# KiCad board cryboard.kicad_pcb (continued)
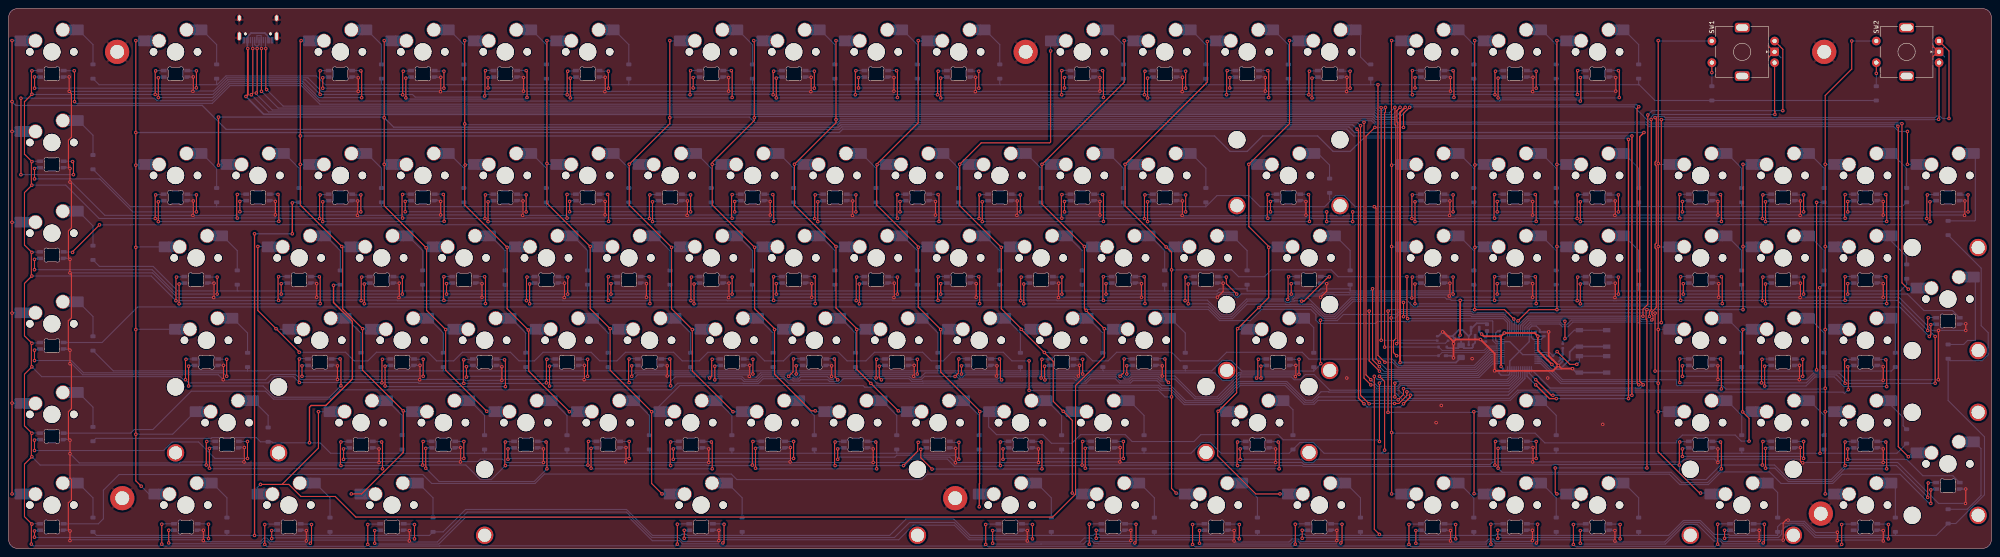
[diagram p0: board, top side]
## Routing (per net, layer and track width the routed paths; a pad name or vN(x,y) marks a point on that pad's centre or on a via; arc(x,y) is an arc through that point) (continued)
Net-(LED5-DOUT): length 37
  Top w0.25: v1(110.79,108.84) v1(110.79,106.44) ; v1(138.59,106.39) v1(138.59,110.31)
  Bottom w0.25: v1(110.79,106.44) 138.54,106.44 v1(138.59,106.39) ; v1(138.59,110.31) 136.96,110.31 ; 112.14,109.01 110.96,109.01
Net-(LED6-DOUT): length 51
  Top w0.25: v1(129.79,108.71) v1(129.79,104.14) ; 167.19,110.24 v1(167.19,104.24)
  Bottom w0.25: v1(129.79,104.14) 167.09,104.14 v1(167.19,104.24) ; 131.04,108.88 129.96,108.88 ; 164.99,110.51 166.92,110.51
  vias: v1(166.99,110.44)
Net-(LED7-DOUT): length 37.2
  Top w0.25: v1(186.19,106.39) v1(186.19,110.31) ; v1(158.19,108.84) v1(158.19,106.44)
  Bottom w0.25: v1(186.19,110.31) 184.56,110.31 ; v1(186.19,106.39) 186.14,106.44 v1(158.19,106.44) ; 159.54,109.01 158.36,109.01
Net-(LED8-DOUT): length 41.6
  Top w0.25: 205.39,110.24 v1(205.39,104.24) ; v1(177.39,108.71) v1(177.39,104.14)
  Bottom w0.25: v1(205.39,104.24) 205.29,104.14 v1(177.39,104.14) ; 203.19,110.51 205.12,110.51 ; 178.64,108.88 177.56,108.88
  vias: v1(205.19,110.44)
Net-(LED10-DIN): length 37
  Top w0.25: v1(224.19,106.39) v1(224.19,110.31) ; v1(196.39,108.84) v1(196.39,106.44)
  Bottom w0.25: 197.74,109.01 196.56,109.01 ; v1(224.19,110.31) 222.56,110.31 ; v1(224.19,106.39) 224.14,106.44 v1(196.39,106.44)
Net-(LED10-DOUT): length 51.2
  Top w0.25: 252.99,110.24 v1(252.99,104.24) ; v1(215.39,108.71) v1(215.39,104.14)
  Bottom w0.25: v1(252.99,104.24) 252.89,104.14 v1(215.39,104.14) ; 250.79,110.51 252.72,110.51 ; 216.64,108.88 215.56,108.88
  vias: v1(252.79,110.44)
Net-(LED11-DOUT): length 37.2
  Top w0.25: v1(243.99,108.84) v1(243.99,106.44) ; v1(271.99,106.39) v1(271.99,110.31)
  Bottom w0.25: v1(271.99,110.31) 270.36,110.31 ; v1(243.99,106.44) 271.94,106.44 v1(271.99,106.39) ; 245.34,109.01 244.16,109.01
Net-(LED12-DOUT): length 41.6
  Top w0.25: v1(263.19,108.71) v1(263.19,104.14) ; 291.19,110.24 v1(291.19,104.24)
  Bottom w0.25: v1(291.19,104.24) 291.09,104.14 v1(263.19,104.14) ; 264.44,108.88 263.36,108.88 ; 288.99,110.51 290.92,110.51
  vias: v1(290.99,110.44)
Net-(LED13-DOUT): length 37
  Top w0.25: v1(282.19,108.84) v1(282.19,106.44) ; v1(309.99,106.39) v1(309.99,110.31)
  Bottom w0.25: v1(309.99,106.39) 309.94,106.44 v1(282.19,106.44) ; v1(309.99,110.31) 308.36,110.31 ; 283.54,109.01 282.36,109.01
Net-(LED14-DOUT): length 46.4
  Top w0.25: v1(301.19,108.71) v1(301.19,104.14) ; 333.99,110.24 v1(333.99,104.24)
  Bottom w0.25: 331.79,110.51 333.72,110.51 ; 302.44,108.88 301.36,108.88 ; v1(333.99,104.24) 333.89,104.14 v1(301.19,104.14)
  vias: v1(333.79,110.44)
Net-(LED15-DOUT): length 37.2
  Top w0.25: v1(352.99,106.39) v1(352.99,110.31) ; v1(324.99,108.84) v1(324.99,106.44)
  Bottom w0.25: v1(352.99,110.31) 351.36,110.31 ; v1(352.99,106.39) 352.94,106.44 v1(324.99,106.44) ; 326.34,109.01 325.16,109.01
Net-(LED16-DOUT): length 41.6
  Top w0.25: v1(344.19,108.71) v1(344.19,104.14) ; 372.19,110.24 v1(372.19,104.24)
  Bottom w0.25: 369.99,110.51 371.92,110.51 ; v1(372.19,104.24) 372.09,104.14 v1(344.19,104.14) ; 345.44,108.88 344.36,108.88
  vias: v1(371.99,110.44)
Net-(LED17-DOUT): length 405.4
  Top w0.25: v1(2.84,86.39) v1(2.84,104.07) ; 14.97,89.22 v1(14.97,86.39) ; v1(363.19,108.84) 363.31,108.71 363.31,103.54 v1(363.19,103.41)
  Bottom w0.25: 364.54,109.01 363.36,109.01 ; 12.77,89.49 14.7,89.49 ; v1(2.84,104.07) 33.7,104.07 34.29,103.49 47.03,103.49 50.98,107.43 67.83,107.43 71.85,103.41 344.49,103.41 344.76,103.69 362.91,103.69 v1(363.19,103.41) ; v1(14.97,86.39) v1(2.84,86.39)
  vias: v1(14.77,89.42)
Net-(LED18-DOUT): length 49.7
  Top w0.25: v1(5.97,87.82) v1(5.97,85.42) ; v1(43.39,77.79) v1(43.39,81.71)
  Bottom w0.25: v1(43.39,77.79) 28.69,77.79 21.06,85.42 v1(5.97,85.42) ; 7.32,87.99 6.14,87.99 ; v1(43.39,81.71) 41.76,81.71
Net-(LED19-DOUT): length 41.5
  Top w0.25: 62.44,81.62 v1(62.44,75.62) ; v1(34.59,80.11) v1(34.59,75.54)
  Bottom w0.25: 60.24,81.89 62.17,81.89 ; 35.84,80.28 34.76,80.28 ; v1(34.59,75.54) 62.36,75.54 v1(62.44,75.62)
  vias: v1(62.24,81.82)
Net-(LED20-DOUT): length 37.1
  Top w0.25: v1(53.44,80.22) v1(53.44,77.82) ; v1(81.39,77.79) v1(81.39,81.71)
  Bottom w0.25: v1(81.39,81.71) 79.76,81.71 ; 54.79,80.39 53.61,80.39 ; v1(81.39,77.79) 81.36,77.82 v1(53.44,77.82)
Net-(LED21-DOUT): length 41.7
  Top w0.25: 100.64,81.62 v1(100.64,75.62) ; v1(72.59,80.11) v1(72.59,75.54)
  Bottom w0.25: 98.44,81.89 100.37,81.89 ; v1(100.64,75.62) 100.56,75.54 v1(72.59,75.54) ; 73.84,80.28 72.76,80.28
  vias: v1(100.44,81.82)
Net-(LED22-DOUT): length 37.1
  Top w0.25: v1(119.59,77.79) v1(119.59,81.71) ; v1(91.64,80.22) v1(91.64,77.82)
  Bottom w0.25: v1(91.64,77.82) 119.56,77.82 v1(119.59,77.79) ; 92.99,80.39 91.81,80.39 ; v1(119.59,81.71) 117.96,81.71
Net-(LED23-DOUT): length 41.5
  Top w0.25: 138.64,81.62 v1(138.64,75.62) ; v1(110.79,80.11) v1(110.79,75.54)
  Bottom w0.25: 136.44,81.89 138.37,81.89 ; 112.04,80.28 110.96,80.28 ; v1(110.79,75.54) 138.56,75.54 v1(138.64,75.62)
  vias: v1(138.44,81.82)
Net-(LED24-DOUT): length 37.1
  Top w0.25: v1(157.59,77.79) v1(157.59,81.71) ; v1(129.64,80.22) v1(129.64,77.82)
  Bottom w0.25: v1(129.64,77.82) 157.56,77.82 v1(157.59,77.79) ; 130.99,80.39 129.81,80.39 ; v1(157.59,81.71) 155.96,81.71
Net-(LED25-DOUT): length 41.6
  Top w0.25: v1(148.79,80.11) v1(148.79,75.54) ; 176.79,81.59 v1(176.79,75.59)
  Bottom w0.25: v1(176.79,75.59) 176.74,75.54 v1(148.79,75.54) ; 174.59,81.86 176.52,81.86 ; 150.04,80.28 148.96,80.28
  vias: v1(176.59,81.79)
Net-(LED26-DOUT): length 37.1
  Top w0.25: v1(167.79,80.19) v1(167.79,77.79) ; v1(195.79,77.79) v1(195.79,81.71)
  Bottom w0.25: 169.14,80.36 167.96,80.36 ; v1(195.79,81.71) 194.16,81.71 ; v1(167.79,77.79) v1(195.79,77.79)
Net-(LED27-DOUT): length 41.6
  Top w0.25: 214.99,81.59 v1(214.99,75.59) ; v1(186.99,80.11) v1(186.99,75.54)
  Bottom w0.25: v1(214.99,75.59) 214.94,75.54 v1(186.99,75.54) ; 212.79,81.86 214.72,81.86 ; 188.24,80.28 187.16,80.28
  vias: v1(214.79,81.79)
Net-(LED28-DOUT): length 36.9
  Top w0.25: v1(233.79,77.79) v1(233.79,81.71) ; v1(205.99,80.19) v1(205.99,77.79)
  Bottom w0.25: v1(233.79,81.71) 232.16,81.71 ; 207.34,80.36 206.16,80.36 ; v1(205.99,77.79) v1(233.79,77.79)
Net-(LED29-DOUT): length 41.6
  Top w0.25: 252.99,81.59 v1(252.99,75.59) ; v1(224.99,80.11) v1(224.99,75.54)
  Bottom w0.25: v1(252.99,75.59) 252.94,75.54 v1(224.99,75.54) ; 250.79,81.86 252.72,81.86 ; 226.24,80.28 225.16,80.28
  vias: v1(252.79,81.79)
Net-(LED30-DOUT): length 37.1
  Top w0.25: v1(271.99,77.79) v1(271.99,81.71) ; v1(243.99,80.19) v1(243.99,77.79)
  Bottom w0.25: v1(243.99,77.79) v1(271.99,77.79) ; v1(271.99,81.71) 270.36,81.71 ; 245.34,80.36 244.16,80.36
Net-(LED31-DOUT): length 51
  Top w0.25: 300.59,81.59 v1(300.59,75.59) ; v1(263.19,80.11) v1(263.19,75.54)
  Bottom w0.25: 298.39,81.86 300.32,81.86 ; 264.44,80.28 263.36,80.28 ; v1(263.19,75.54) 300.54,75.54 v1(300.59,75.59)
  vias: v1(300.39,81.79)
Net-(LED32-DOUT): length 55.8
  Top w0.25: v1(310.59,75.54) v1(310.59,77.79) ; v1(333.79,77.79) v1(333.79,81.71) ; v1(291.59,80.19) v1(291.59,77.79) ; v1(304.59,77.79) v1(304.59,75.54)
  Bottom w0.25: v1(304.59,75.54) v1(310.59,75.54) ; 292.94,80.36 291.76,80.36 ; v1(291.59,77.79) v1(304.59,77.79) ; v1(333.79,81.71) 332.16,81.71 ; v1(310.59,77.79) v1(333.79,77.79)
Net-(LED33-DOUT): length 41.6
  Top w0.25: v1(324.99,80.11) v1(324.99,75.54) ; 352.99,81.59 v1(352.99,75.59)
  Bottom w0.25: v1(324.99,75.54) 352.94,75.54 v1(352.99,75.59) ; 326.24,80.28 325.16,80.28 ; 350.79,81.86 352.72,81.86
  vias: v1(352.79,81.79)
Net-(LED34-DOUT): length 37.1
  Top w0.25: v1(371.99,77.79) v1(371.99,81.71) ; v1(343.99,80.19) v1(343.99,77.79)
  Bottom w0.25: v1(371.99,81.71) 370.36,81.71 ; 345.34,80.36 344.16,80.36 ; v1(343.99,77.79) v1(371.99,77.79)
Net-(LED35-DOUT): length 46.2
  Top w0.25: v1(363.19,80.11) v1(363.19,75.54) ; 395.79,81.59 v1(395.79,75.59)
  Bottom w0.25: 364.44,80.28 363.36,80.28 ; v1(395.79,75.59) 395.74,75.54 v1(363.19,75.54) ; 393.59,81.86 395.52,81.86
  vias: v1(395.59,81.79)
Net-(LED36-DOUT): length 37.1
  Top w0.25: v1(414.79,77.79) v1(414.79,81.71) ; v1(386.79,80.19) v1(386.79,77.79)
  Bottom w0.25: v1(414.79,81.71) 413.16,81.71 ; v1(386.79,77.79) v1(414.79,77.79) ; 388.14,80.36 386.96,80.36
Net-(LED37-DOUT): length 41.6
  Top w0.25: 433.99,81.59 v1(433.99,75.59) ; v1(405.99,80.11) v1(405.99,75.54)
  Bottom w0.25: 407.24,80.28 406.16,80.28 ; v1(405.99,75.54) 433.94,75.54 v1(433.99,75.59) ; 431.79,81.86 433.72,81.86
  vias: v1(433.79,81.79)
Net-(LED38-DOUT): length 36.9
  Top w0.25: v1(424.99,80.19) v1(424.99,77.79) ; v1(452.79,77.79) v1(452.79,81.71)
  Bottom w0.25: v1(424.99,77.79) v1(452.79,77.79) ; 426.34,80.36 425.16,80.36 ; v1(452.79,81.71) 451.16,81.71
Net-(LED39-DOUT): length 439.8
  Top w0.25: v1(20.99,74.79) 14.77,68.57 v1(14.77,68.42) ; v1(443.99,80.11) v1(443.99,75.54)
  Bottom w0.25: v1(20.99,74.79) 28.19,74.79 28.21,74.81 443.26,74.81 v1(443.99,75.54) ; 12.77,68.49 14.7,68.49 ; 445.24,80.28 444.16,80.28
Net-(LED40-DOUT): length 53.7
  Top w0.25: v1(5.97,66.82) v1(5.97,64.42) ; v1(48.19,58.79) v1(48.19,62.71)
  Bottom w0.25: 7.32,66.99 6.14,66.99 ; v1(48.19,58.79) 38.8,58.79 33.17,64.42 v1(5.97,64.42) ; v1(48.19,62.71) 46.56,62.71
Net-(LED41-DOUT): length 46.2
  Top w0.25: 71.99,62.59 v1(71.99,56.59) ; v1(39.39,61.11) v1(39.39,56.54)
  Bottom w0.25: v1(39.39,56.54) 71.94,56.54 v1(71.99,56.59) ; 40.64,61.28 39.56,61.28 ; 69.79,62.86 71.72,62.86
  vias: v1(71.79,62.79)
Net-(LED42-DOUT): length 37.1
  Top w0.25: v1(90.99,58.79) v1(90.99,62.71) ; v1(62.99,61.19) v1(62.99,58.79)
  Bottom w0.25: 64.34,61.36 63.16,61.36 ; v1(90.99,62.71) 89.36,62.71 ; v1(62.99,58.79) v1(90.99,58.79)
Net-(LED43-DOUT): length 41.6
  Top w0.25: 110.19,62.59 v1(110.19,56.59) ; v1(82.19,61.11) v1(82.19,56.54)
  Bottom w0.25: 107.99,62.86 109.92,62.86 ; 83.44,61.28 82.36,61.28 ; v1(110.19,56.59) 110.14,56.54 v1(82.19,56.54)
  vias: v1(109.99,62.79)
Net-(LED44-DOUT): length 37.1
  Top w0.25: v1(101.19,61.19) v1(101.19,58.79) ; v1(129.19,58.79) v1(129.19,62.71)
  Bottom w0.25: v1(101.19,58.79) v1(129.19,58.79) ; v1(129.19,62.71) 127.56,62.71 ; 102.54,61.36 101.36,61.36
Net-(LED45-DOUT): length 41.4
  Top w0.25: 148.19,62.59 v1(148.19,56.59) ; v1(120.39,61.11) v1(120.39,56.54)
  Bottom w0.25: v1(120.39,56.54) 148.14,56.54 v1(148.19,56.59) ; 121.64,61.28 120.56,61.28 ; 145.99,62.86 147.92,62.86
  vias: v1(147.99,62.79)
Net-(LED46-DOUT): length 37.1
  Top w0.25: v1(167.19,58.79) v1(167.19,62.71) ; v1(139.19,61.19) v1(139.19,58.79)
  Bottom w0.25: v1(167.19,62.71) 165.56,62.71 ; v1(139.19,58.79) v1(167.19,58.79) ; 140.54,61.36 139.36,61.36
Net-(LED47-DOUT): length 41.6
  Top w0.25: v1(158.39,61.11) v1(158.39,56.54) ; 186.39,62.59 v1(186.39,56.59)
  Bottom w0.25: v1(186.39,56.59) 186.34,56.54 v1(158.39,56.54) ; 159.64,61.28 158.56,61.28 ; 184.19,62.86 186.12,62.86
  vias: v1(186.19,62.79)
Net-(LED48-DOUT): length 37.1
  Top w0.25: v1(177.39,61.19) v1(177.39,58.79) ; v1(205.39,58.79) v1(205.39,62.71)
  Bottom w0.25: v1(177.39,58.79) v1(205.39,58.79) ; 178.74,61.36 177.56,61.36 ; v1(205.39,62.71) 203.76,62.71
Net-(LED49-DOUT): length 41.4
  Top w0.25: 224.39,62.59 v1(224.39,56.59) ; v1(196.59,61.11) v1(196.59,56.54)
  Bottom w0.25: v1(224.39,56.59) 224.34,56.54 v1(196.59,56.54) ; 222.19,62.86 224.12,62.86 ; 197.84,61.28 196.76,61.28
  vias: v1(224.19,62.79)
Net-(LED50-DOUT): length 37.1
  Top w0.25: v1(243.39,58.79) v1(243.39,62.71) ; v1(215.39,61.19) v1(215.39,58.79)
  Bottom w0.25: v1(215.39,58.79) v1(243.39,58.79) ; v1(243.39,62.71) 241.76,62.71 ; 216.74,61.36 215.56,61.36
Net-(LED51-DOUT): length 41.6
  Top w0.25: v1(234.59,61.11) v1(234.59,56.54) ; 262.59,62.59 v1(262.59,56.59)
  Bottom w0.25: v1(234.59,56.54) 262.54,56.54 v1(262.59,56.59) ; 260.39,62.86 262.32,62.86 ; 235.84,61.28 234.76,61.28
  vias: v1(262.39,62.79)
Net-(LED52-DOUT): length 40.7
  Top w0.25: v1(283.79,58.79) 281.39,61.19 v1(281.39,62.71) ; v1(253.59,61.19) v1(253.59,58.79)
  Bottom w0.25: v1(283.79,58.79) 283.39,59.18 279.62,59.18 279.22,58.79 v1(253.59,58.79) ; 254.94,61.36 253.76,61.36 ; v1(281.39,62.71) 279.76,62.71
Net-(LED53-DOUT): length 45.7
  Top w0.25: v1(298.79,57.16) 299.34,57.16 304.76,62.59 305.39,62.59 ; v1(272.59,61.11) v1(272.59,56.54)
  Bottom w0.25: 273.84,61.28 272.76,61.28 ; v1(298.79,57.16) 298.71,57.24 297.14,57.24 297.06,57.16 296.21,57.16 295.87,56.82 295.27,56.82 294.91,57.19 286.25,57.19 282.62,53.55 280.19,53.55 277.2,56.54 v1(272.59,56.54) ; 303.19,62.86 305.12,62.86
  vias: v1(305.19,62.79)
Net-(LED54-DOUT): length 46.9
  Top w0.25: v1(333.79,58.79) v1(333.79,62.71) ; v1(296.39,61.19) v1(296.39,58.79)
  Bottom w0.25: 297.74,61.36 296.56,61.36 ; v1(333.79,58.79) 333.51,59.06 309.8,59.06 309.67,59.19 303.67,59.19 303.27,58.79 v1(296.39,58.79) ; v1(333.79,62.71) 332.16,62.71
Net-(LED55-DOUT): length 41.6
  Top w0.25: v1(324.99,61.11) v1(324.99,56.54) ; 352.99,62.59 v1(352.99,56.59)
  Bottom w0.25: v1(352.99,56.59) 352.94,56.54 v1(324.99,56.54) ; 350.79,62.86 352.72,62.86 ; 326.24,61.28 325.16,61.28
  vias: v1(352.79,62.79)
Net-(LED56-DOUT): length 37.1
  Top w0.25: v1(343.99,61.19) v1(343.99,58.79) ; v1(371.99,58.79) v1(371.99,62.71)
  Bottom w0.25: v1(343.99,58.79) v1(371.99,58.79) ; v1(371.99,62.71) 370.36,62.71 ; 345.34,61.36 344.16,61.36
Net-(LED57-DOUT): length 46.4
  Top w0.25: v1(363.19,61.11) v1(363.19,56.54) ; 395.99,62.59 v1(395.99,56.59)
  Bottom w0.25: 364.44,61.28 363.36,61.28 ; v1(363.19,56.54) 395.94,56.54 v1(395.99,56.59) ; 393.79,62.86 395.72,62.86
  vias: v1(395.79,62.79)
Net-(LED58-DOUT): length 36.9
  Top w0.25: v1(386.99,61.19) v1(386.99,58.79) ; v1(414.79,58.79) v1(414.79,62.71)
  Bottom w0.25: 388.34,61.36 387.16,61.36 ; v1(414.79,62.71) 413.16,62.71 ; v1(386.99,58.79) v1(414.79,58.79)
Net-(LED59-DOUT): length 41.6
  Top w0.25: 433.99,62.59 v1(433.99,56.59) ; v1(405.99,61.11) v1(405.99,56.54)
  Bottom w0.25: 407.24,61.28 406.16,61.28 ; 431.79,62.86 433.72,62.86 ; v1(433.99,56.59) 406.04,56.59 v1(405.99,56.54)
  vias: v1(433.79,62.79)
Net-(LED60-DOUT): length 31.7
  Top w0.25: v1(424.99,61.19) v1(424.99,58.79)
  Bottom w0.25: 426.34,61.36 425.16,61.36 ; LED61.3 449.39,54.78 449.39,54.79 449.19,54.99 442.59,54.99 438.79,58.79 v1(424.99,58.79)
Net-(LED61-DOUT): length 447.9
  Top w0.25: v1(443.83,48.99) 444.19,49.34 v1(444.19,51.71)
  Bottom w0.25: LED62.3 21.59,47.59 29.81,55.81 277.29,55.81 280,53.1 282.8,53.1 286.15,56.45 295.01,56.45 295.09,56.37 296.06,56.37 296.12,56.44 301.1,56.44 303.99,53.55 306.43,53.55 310.46,57.58 322.91,57.58 324.69,55.81 325.41,55.81 325.59,55.99 339.01,55.99 339.2,55.8 353.22,55.8 353.34,55.91 358.09,55.91 358.19,55.81 363.49,55.81 363.66,55.99 378.89,55.99 379.01,55.86 396.29,55.86 396.34,55.91 401.26,55.91 401.39,55.79 437.03,55.79 v1(443.83,48.99) ; 445.44,51.88 444.36,51.88
Net-(LED62-DOUT): length 55.1
  Top w0.25: v1(5.97,45.82) v1(5.97,43.42) ; v1(50.39,39.79) v1(50.39,43.71)
  Bottom w0.25: v1(50.39,39.79) 49.59,40.58 17.3,40.58 14.47,43.42 v1(5.97,43.42) ; v1(50.39,43.71) 48.76,43.71 ; 7.32,45.99 6.14,45.99
Net-(LED63-DOUT): length 51
  Top w0.25: 76.79,43.59 v1(76.79,37.59) ; v1(41.59,42.11) v1(41.59,37.54)
  Bottom w0.25: 42.84,42.28 41.76,42.28 ; 74.59,43.86 76.52,43.86 ; v1(76.79,37.59) 74.15,34.95 61.39,34.95 58.8,37.54 v1(41.59,37.54)
  vias: v1(76.59,43.79)
Net-(LED64-DOUT): length 37.1
  Top w0.25: v1(95.79,39.79) v1(95.79,43.71) ; v1(67.79,42.19) v1(67.79,39.79)
  Bottom w0.25: 69.14,42.36 67.96,42.36 ; v1(95.79,43.71) 94.16,43.71 ; v1(67.79,39.79) v1(95.79,39.79)
Net-(LED65-DOUT): length 41.4
  Top w0.25: 114.79,43.39 v1(114.79,37.39) ; v1(86.99,42.11) v1(86.99,37.54)
  Bottom w0.25: v1(86.99,37.54) 87.14,37.39 v1(114.79,37.39) ; 88.24,42.28 87.16,42.28 ; 112.59,43.66 114.52,43.66
  vias: v1(114.59,43.59)
Net-(LED66-DOUT): length 37.2
  Top w0.25: v1(105.79,41.99) v1(105.79,39.59) ; v1(133.79,39.79) v1(133.79,43.71)
  Bottom w0.25: 107.14,42.16 105.96,42.16 ; v1(105.79,39.59) 105.99,39.79 v1(133.79,39.79) ; v1(133.79,43.71) 132.16,43.71
Net-(LED67-DOUT): length 41.6
  Top w0.25: 152.99,43.59 v1(152.99,37.59) ; v1(124.99,42.11) v1(124.99,37.54)
  Bottom w0.25: 150.79,43.86 152.72,43.86 ; v1(152.99,37.59) 152.94,37.54 v1(124.99,37.54) ; 126.24,42.28 125.16,42.28
  vias: v1(152.79,43.79)
Net-(LED68-DOUT): length 37
  Top w0.25: v1(171.99,40.31) v1(171.99,43.71) ; v1(143.99,42.19) v1(143.99,39.79)
  Bottom w0.25: v1(143.99,39.79) 144.77,40.57 171.73,40.57 v1(171.99,40.31) ; v1(171.99,43.71) 170.36,43.71 ; 145.34,42.36 144.16,42.36
Net-(LED69-DOUT): length 41.2
  Top w0.25: v1(163.19,42.11) v1(163.19,38.95) ; v1(191.6,38.96) 190.99,39.58 190.99,43.59
  Bottom w0.25: 164.44,42.28 163.36,42.28 ; v1(191.6,38.96) 191.24,38.6 189.68,38.6 189.3,38.98 182.96,38.98 182.66,38.68 181.31,38.68 181.01,38.98 180.01,38.98 179.33,39.67 174.17,39.67 173.03,38.53 169.98,38.53 169.29,39.22 163.46,39.22 v1(163.19,38.95) ; 188.79,43.86 190.72,43.86
  vias: v1(190.79,43.79)
Net-(LED70-DOUT): length 36.3
  Top w0.25: v1(181.99,42.19) v1(181.99,40.31) ; v1(209.99,40.31) v1(209.99,43.71)
  Bottom w0.25: 183.34,42.36 182.16,42.36 ; v1(181.99,40.31) 182.26,40.58 209.71,40.58 v1(209.99,40.31) ; v1(209.99,43.71) 208.36,43.71
Net-(LED71-DOUT): length 39.4
  Top w0.25: 229.19,43.59 229.19,39.22 v1(229.46,38.95) ; v1(201.19,42.11) 201.19,39.45 v1(201.68,38.96)
  Bottom w0.25: v1(201.68,38.96) 201.95,39.23 208.02,39.23 208.65,38.61 211.11,38.61 211.17,38.67 229.18,38.67 v1(229.46,38.95) ; 226.99,43.86 228.92,43.86 ; 202.44,42.28 201.36,42.28
  vias: v1(228.99,43.79)
Net-(LED72-DOUT): length 36.3
  Top w0.25: v1(248.19,40.31) v1(248.19,43.71) ; v1(220.19,42.19) v1(220.19,40.31)
  Bottom w0.25: v1(248.19,43.71) 246.56,43.71 ; v1(220.19,40.31) 220.45,40.57 247.93,40.57 v1(248.19,40.31) ; 221.54,42.36 220.36,42.36
Net-(LED73-DOUT): length 42
  Top w0.25: v1(239.39,42.11) 239.39,39.03 v1(239.47,38.94) ; v1(268,38.37) 267.39,38.99 267.39,43.59
  Bottom w0.25: 240.64,42.28 239.56,42.28 ; v1(268,38.37) 267.71,38.67 266.1,38.67 265.55,39.22 259.59,39.22 259.06,38.68 256.91,38.68 255.92,39.67 249.84,39.67 248.84,38.67 246.72,38.67 246.17,39.22 239.76,39.22 v1(239.47,38.94) ; 265.19,43.86 267.12,43.86
  vias: v1(267.19,43.79)
Net-(LED74-DOUT): length 49.6
  Top w0.25: v1(298.19,40.26) v1(298.19,43.71) ; v1(258.39,42.19) v1(258.39,40.31)
  Bottom w0.25: 259.74,42.36 258.56,42.36 ; v1(298.19,40.26) 297.91,40.54 284.8,40.54 284.77,40.57 284.18,40.57 282.41,38.8 280.49,38.8 278.72,40.57 258.65,40.57 v1(258.39,40.31) ; v1(298.19,43.71) 296.56,43.71
Net-(LED75-DOUT): length 123
  Top w0.25: v1(289.39,42.11) v1(289.39,39.36) ; 395.79,43.59 v1(395.79,36.86)
  Bottom w0.25: v1(289.39,39.36) 289.66,39.64 296.4,39.64 297.05,38.98 298.45,38.98 299.65,40.17 301.69,40.17 305.3,36.56 321.29,36.56 323.18,34.67 346.84,34.67 348.73,36.57 395.49,36.57 v1(395.79,36.86) ; 393.59,43.86 395.52,43.86 ; 290.64,42.28 289.56,42.28
  vias: v1(395.59,43.79)
Net-(LED76-DOUT): length 36.9
  Top w0.25: v1(414.59,39.79) v1(414.59,43.71) ; v1(386.79,42.19) v1(386.79,39.79)
  Bottom w0.25: v1(386.79,39.79) v1(414.59,39.79) ; v1(414.59,43.71) 412.96,43.71 ; 388.14,42.36 386.96,42.36
Net-(LED77-DOUT): length 43.6
  Top w0.25: v1(405.79,42.11) v1(405.79,37.54) ; 433.99,43.39 v1(433.99,37.39)
  Bottom w0.25: v1(433.99,37.39) 433.96,37.41 424.09,37.41 421.86,39.64 417.44,39.64 415.34,37.54 v1(405.79,37.54) ; 431.79,43.66 433.72,43.66 ; 407.04,42.28 405.96,42.28
  vias: v1(433.79,43.59)
Net-(LED78-DOUT): length 436.7
  Top w0.25: v1(425.11,36.69) 425.11,41.86 v1(424.99,41.99)
  Bottom w0.25: v1(425.11,36.69) 424.23,35.81 423.92,36.12 348.92,36.12 347.02,34.22 322.24,34.22 320.34,36.11 305.11,36.11 305.02,36.2 303.28,36.2 301.29,34.22 299.7,34.22 295.34,38.59 284.22,38.59 279.76,34.13 272.02,34.13 268.5,37.65 266.49,37.65 265.36,38.77 259.78,38.77 259.25,38.23 256.72,38.23 255.74,39.22 250.03,39.22 249,38.19 211.32,38.19 211.29,38.16 200.69,38.16 199.61,39.23 192.9,39.23 191.82,38.15 180.21,38.15 179.14,39.22 174.35,39.22 173.22,38.08 169.79,38.08 169.68,38.19 154.61,38.19 153.09,36.66 76.5,36.66 74.33,34.5 61.21,34.5 59.37,36.33 42.19,36.33 33.33,27.47 29.04,27.47 28.2,26.64 LED79.3 ; 426.34,42.16 425.16,42.16
Net-(LED79-DOUT): length 60.7
  Top w0.25: v1(5.97,25.02) v1(5.97,22.62) ; v1(55.19,20.79) v1(55.19,24.71)
  Bottom w0.25: v1(55.19,24.71) 53.56,24.71 ; v1(5.97,22.62) 35.81,22.62 37.78,24.59 43.89,24.59 47.69,20.79 v1(55.19,20.79) ; 7.32,25.19 6.14,25.19
Net-(LED80-DOUT): length 53.6
  Top w0.25: 86.39,24.39 v1(86.39,18.39) ; v1(46.39,23.11) v1(46.39,18.54)
  Bottom w0.25: 84.19,24.66 86.12,24.66 ; v1(86.39,18.39) 86.36,18.41 46.51,18.41 v1(46.39,18.54) ; 47.64,23.28 46.56,23.28
  vias: v1(86.19,24.59)
Net-(LED81-DOUT): length 37
  Top w0.25: v1(77.39,22.99) v1(77.39,20.59) ; v1(105.19,20.79) v1(105.19,24.71)
  Bottom w0.25: v1(105.19,20.79) 77.79,20.79 77.59,20.59 v1(77.39,20.59) ; 78.74,23.16 77.56,23.16 ; v1(105.19,24.71) 103.56,24.71
Net-(LED82-DOUT): length 44.1
  Top w0.25: 124.39,24.39 v1(124.39,18.39) ; v1(96.39,23.11) v1(96.39,18.54)
  Bottom w0.25: 122.19,24.66 124.12,24.66 ; v1(124.39,18.39) 121.45,15.45 99.47,15.45 v1(96.39,18.54) ; 97.64,23.28 96.56,23.28
  vias: v1(124.19,24.59)
Net-(LED83-DOUT): length 37.2
  Top w0.25: v1(143.39,20.79) v1(143.39,24.71) ; v1(115.39,22.99) v1(115.39,20.59)
  Bottom w0.25: v1(115.39,20.59) 115.59,20.79 v1(143.39,20.79) ; v1(143.39,24.71) 141.76,24.71 ; 116.74,23.16 115.56,23.16
Net-(LED84-DOUT): length 41.6
  Top w0.25: v1(134.59,23.11) v1(134.59,18.54) ; 162.59,24.39 v1(162.59,18.39)
  Bottom w0.25: 160.39,24.66 162.32,24.66 ; v1(162.59,18.39) 134.74,18.39 v1(134.59,18.54) ; 135.84,23.28 134.76,23.28
  vias: v1(162.39,24.59)
Net-(LED85-DOUT): length 37
  Top w0.25: v1(153.59,22.99) v1(153.59,20.59) ; v1(181.39,20.79) v1(181.39,24.71)
  Bottom w0.25: v1(181.39,24.71) 179.76,24.71 ; v1(153.59,20.59) 153.79,20.79 v1(181.39,20.79) ; 154.94,23.16 153.76,23.16
Net-(LED86-DOUT): length 41.6
  Top w0.25: v1(172.59,23.11) v1(172.59,18.54) ; 200.59,24.39 v1(200.59,18.39)
  Bottom w0.25: v1(200.59,18.39) 172.74,18.39 v1(172.59,18.54) ; 198.39,24.66 200.32,24.66 ; 173.84,23.28 172.76,23.28
  vias: v1(200.39,24.59)
Net-(LED87-DOUT): length 37.9
  Top w0.25: v1(191.59,22.99) v1(191.59,20.59) ; v1(219.59,20.59) v1(219.59,24.51)
  Bottom w0.25: v1(191.59,20.59) 192.08,21.08 204.79,21.08 205.24,21.54 218.64,21.54 v1(219.59,20.59) ; 192.94,23.16 191.76,23.16 ; v1(219.59,24.51) 217.96,24.51
Net-(LED88-DOUT): length 40.1
  Top w0.25: 238.79,24.39 v1(238.79,18.39) ; v1(210.79,22.91) 210.79,20.94 v1(213.39,18.34)
  Bottom w0.25: 236.59,24.66 238.52,24.66 ; v1(238.79,18.39) 238.74,18.34 v1(213.39,18.34) ; 212.04,23.08 210.96,23.08
  vias: v1(238.59,24.59)
Net-(LED89-DOUT): length 37
  Top w0.25: v1(257.59,20.79) v1(257.59,24.71) ; v1(229.79,22.99) v1(229.79,20.59)
  Bottom w0.25: 231.14,23.16 229.96,23.16 ; v1(257.59,24.71) 255.96,24.71 ; v1(229.79,20.59) 229.99,20.59 230.19,20.79 v1(257.59,20.79)
Net-(LED90-DOUT): length 58.4
  Top w0.25: v1(248.79,23.11) v1(248.79,18.54) ; 293.59,24.39 v1(293.59,18.39)
  Bottom w0.25: v1(248.79,18.54) 248.91,18.41 293.56,18.41 v1(293.59,18.39) ; 250.04,23.28 248.96,23.28 ; 291.39,24.66 293.32,24.66
  vias: v1(293.39,24.59)
Net-(LED91-DOUT): length 78.2
  Top w0.25: v1(352.99,20.79) v1(352.99,24.71) ; v1(284.59,22.99) v1(284.59,20.59)
  Bottom w0.25: v1(352.99,20.79) 343.79,20.79 343.59,20.59 302.22,20.59 301.46,19.83 299.54,19.83 298.78,20.59 v1(284.59,20.59) ; v1(352.99,24.71) 351.36,24.71 ; 285.94,23.16 284.76,23.16
Net-(LED92-DOUT): length 67.9
  Top w0.25: v1(344.19,23.11) v1(344.19,18.54) ; 395.79,24.39 v1(395.79,18.39)
  Bottom w0.25: 345.44,23.28 344.36,23.28 ; v1(395.79,18.39) 392.59,15.19 386.59,15.19 384.19,17.59 345.14,17.59 v1(344.19,18.54) ; 393.59,24.66 395.52,24.66
  vias: v1(395.59,24.59)
Net-(LED93-DOUT): length 36.7
  Top w0.25: v1(414.79,20.79) v1(414.79,24.71) ; v1(386.79,22.99) v1(386.79,21.26)
  Bottom w0.25: 388.14,23.16 386.96,23.16 ; v1(414.79,20.79) 414.31,21.26 v1(386.79,21.26) ; v1(414.79,24.71) 413.16,24.71
Net-(LED94-DOUT): length 44.1
  Top w0.25: v1(405.99,23.11) v1(405.99,18.54) ; 433.99,24.39 v1(433.99,18.39)
  Bottom w0.25: v1(433.99,18.39) 424.27,18.39 421.33,15.45 411.25,15.45 408.16,18.54 v1(405.99,18.54) ; 407.24,23.28 406.16,23.28 ; 431.79,24.66 433.72,24.66
  vias: v1(433.79,24.59)
Net-(LED95-DOUT): length 31.7
  Top w0.25: v1(424.99,22.99) v1(424.99,20.59)
  Bottom w0.25: 426.34,23.16 425.16,23.16 ; v1(424.99,20.59) 438.56,20.59 442.36,16.79 449.28,16.79 LED96.3
Net-(LED96-DOUT): length 454
  Top w0.25: v1(444.19,13.51) v1(444.19,10.39)
  Bottom w0.25: 445.44,13.68 444.36,13.68 ; v1(444.19,10.39) 443.84,10.39 437.1,17.12 423.65,17.12 421.52,15 409.57,15 406.91,17.66 395.7,17.66 392.77,14.74 386.19,14.74 383.79,17.14 212.23,17.14 210.99,15.9 168.27,15.9 167,17.17 123.8,17.17 121.63,15 97.77,15 95.71,17.07 25.52,17.07 21.89,13.44 21.89,6.84 20.74,5.68 LED97.3
Net-(LED97-DOUT): length 48.8
  Top w0.25: v1(5.97,4.02) v1(5.97,2.59) ; v1(46.19,5.59) v1(46.19,2.26)
  Bottom w0.25: v1(46.19,5.59) 46.09,5.68 LED98.3 ; 7.32,4.19 6.14,4.19 ; v1(5.97,2.59) 6.05,2.51 45.94,2.51 v1(46.19,2.26)
Net-(LED98-DOUT): length 44.5
  Top w0.25: v1(69.71,1.19) 69.99,1.46 v1(69.99,5.51) ; v1(36.99,4.19) v1(36.99,1.26)
  Bottom w0.25: v1(36.99,4.19) 36.99,4.18 LED98.2 ; 67.47,5.61 69.89,5.61 ; v1(69.71,1.19) 69.51,0.99 60.4,0.99 59.69,1.69 58.93,1.69 58.3,1.06 37.19,1.06 v1(36.99,1.26)
Net-(LED100-DIN): length 42
  Top w0.25: v1(93.79,5.51) v1(93.79,2.19) ; v1(60.79,4.11) v1(60.79,2.26)
  Bottom w0.25: v1(60.79,2.26) 60.96,2.44 93.54,2.44 v1(93.79,2.19) ; 62.02,4.11 60.79,4.11 ; 91.27,5.61 93.69,5.61
Net-(LED100-DOUT): length 96.8
  Top w0.25: v1(84.59,4.11) v1(84.59,1.19) ; v1(165.32,5.57) 165.32,1.52 v1(165.05,1.25)
  Bottom w0.25: 85.82,4.11 84.59,4.11 ; v1(84.59,1.19) 84.79,0.99 99.39,0.99 105.59,7.19 143.31,7.19 148.73,1.77 154.97,1.77 155.69,1.05 164.85,1.05 v1(165.05,1.25) ; 162.8,5.67 165.23,5.67
Net-(LED101-DOUT): length 92.4
  Top w0.25: v1(156.12,4.17) v1(156.12,2.32) ; v1(236.59,5.51) v1(236.59,2.19)
  Bottom w0.25: 234.07,5.61 236.49,5.61 ; v1(156.12,2.32) 156.3,2.5 204.7,2.5 208.19,5.99 218.55,5.99 222.1,2.44 236.34,2.44 v1(236.59,2.19) ; 157.35,4.17 156.13,4.17
Net-(LED102-DOUT): length 44.6
  Top w0.25: v1(260.52,5.57) 260.52,1.52 v1(260.25,1.25) ; v1(227.39,4.11) v1(227.39,1.19)
  Bottom w0.25: 228.62,4.11 227.39,4.11 ; v1(227.39,1.19) 227.59,0.99 238.56,0.99 238.59,1.01 248.41,1.01 249.1,1.7 250.29,1.7 250.85,1.14 251.79,1.14 251.87,1.05 260.05,1.05 v1(260.25,1.25) ; 258,5.67 260.43,5.67
Net-(LED103-DOUT): length 42.1
  Top w0.25: v1(284.39,5.51) v1(284.39,2.19) ; v1(251.32,4.17) v1(251.32,2.32)
  Bottom w0.25: v1(251.32,2.32) 251.5,2.5 284.07,2.5 v1(284.39,2.19) ; 252.55,4.17 251.33,4.17 ; 281.87,5.61 284.29,5.61
Net-(LED104-DOUT): length 44.4
  Top w0.25: v1(307.85,1.25) 308.12,1.52 v1(308.12,5.57) ; v1(275.19,4.11) v1(275.19,1.19)
  Bottom w0.25: v1(275.19,1.19) 275.39,0.99 296.31,0.99 297.02,1.7 297.89,1.7 298.54,1.05 307.65,1.05 v1(307.85,1.25) ; 276.42,4.11 275.19,4.11 ; 305.6,5.67 308.03,5.67
Net-(LED105-DOUT): length 44.5
  Top w0.25: v1(334.39,5.51) v1(334.39,2.19) ; v1(298.92,4.17) v1(298.92,2.32)
  Bottom w0.25: v1(298.92,2.32) 299.1,2.5 334.07,2.5 v1(334.39,2.19) ; 300.15,4.17 298.93,4.17 ; 331.87,5.61 334.29,5.61
Net-(LED106-DOUT): length 39.6
  Top w0.25: v1(353.32,5.57) 353.32,1.52 v1(353.05,1.25) ; v1(325.19,4.11) v1(325.19,1.19)
  Bottom w0.25: 350.8,5.67 353.23,5.67 ; v1(353.05,1.25) 352.85,1.05 343.52,1.05 342.87,1.7 342.22,1.7 341.51,0.99 325.39,0.99 v1(325.19,1.19) ; 326.42,4.11 325.19,4.11
Net-(LED107-DOUT): length 37.3
  Top w0.25: v1(372.39,5.51) v1(372.39,2.19) ; v1(344.12,4.17) v1(344.12,2.32)
  Bottom w0.25: v1(372.39,2.19) 372.07,2.5 344.3,2.5 v1(344.12,2.32) ; 369.87,5.61 372.29,5.61 ; 345.35,4.17 344.13,4.17
Net-(LED108-DOUT): length 57.2
  Top w0.25: v1(405.72,5.57) 405.72,1.52 v1(405.45,1.25) ; v1(363.19,4.11) v1(363.19,1.19)
  Bottom w0.25: v1(363.19,1.19) 363.39,0.99 382.84,0.99 387.39,5.54 390.23,5.54 394.07,1.7 395.47,1.7 396.12,1.05 405.25,1.05 v1(405.45,1.25) ; 364.42,4.11 363.19,4.11 ; 403.2,5.67 405.63,5.67
Net-(LED109-DOUT): length 49.7
  Top w0.25: v1(434.39,5.51) v1(434.39,2.19) ; v1(396.52,4.17) v1(396.52,2.32)
  Bottom w0.25: 431.87,5.61 434.29,5.61 ; 397.75,4.17 396.53,4.17 ; v1(434.39,2.19) 434.04,2.54 417.4,2.54 414.58,5.35 411.35,5.35 410.99,4.99 410.59,4.99 409.71,4.11 409.71,3.27 408.94,2.5 396.7,2.5 v1(396.52,2.32)
Net-(R3-Pad2): length 1.5
  Bottom w0.4: R4.1 R3.2

## Copper pours and planes (outline as drawn; the poured copper is in the pictures)
GND on Top, Bottom: -4.01,128.79 464.01,128.68 463.99,-5.21 -4.01,-5.21
